# Altium PCB REFERENCE.PcbDoc (part 1 of 2) (continued)
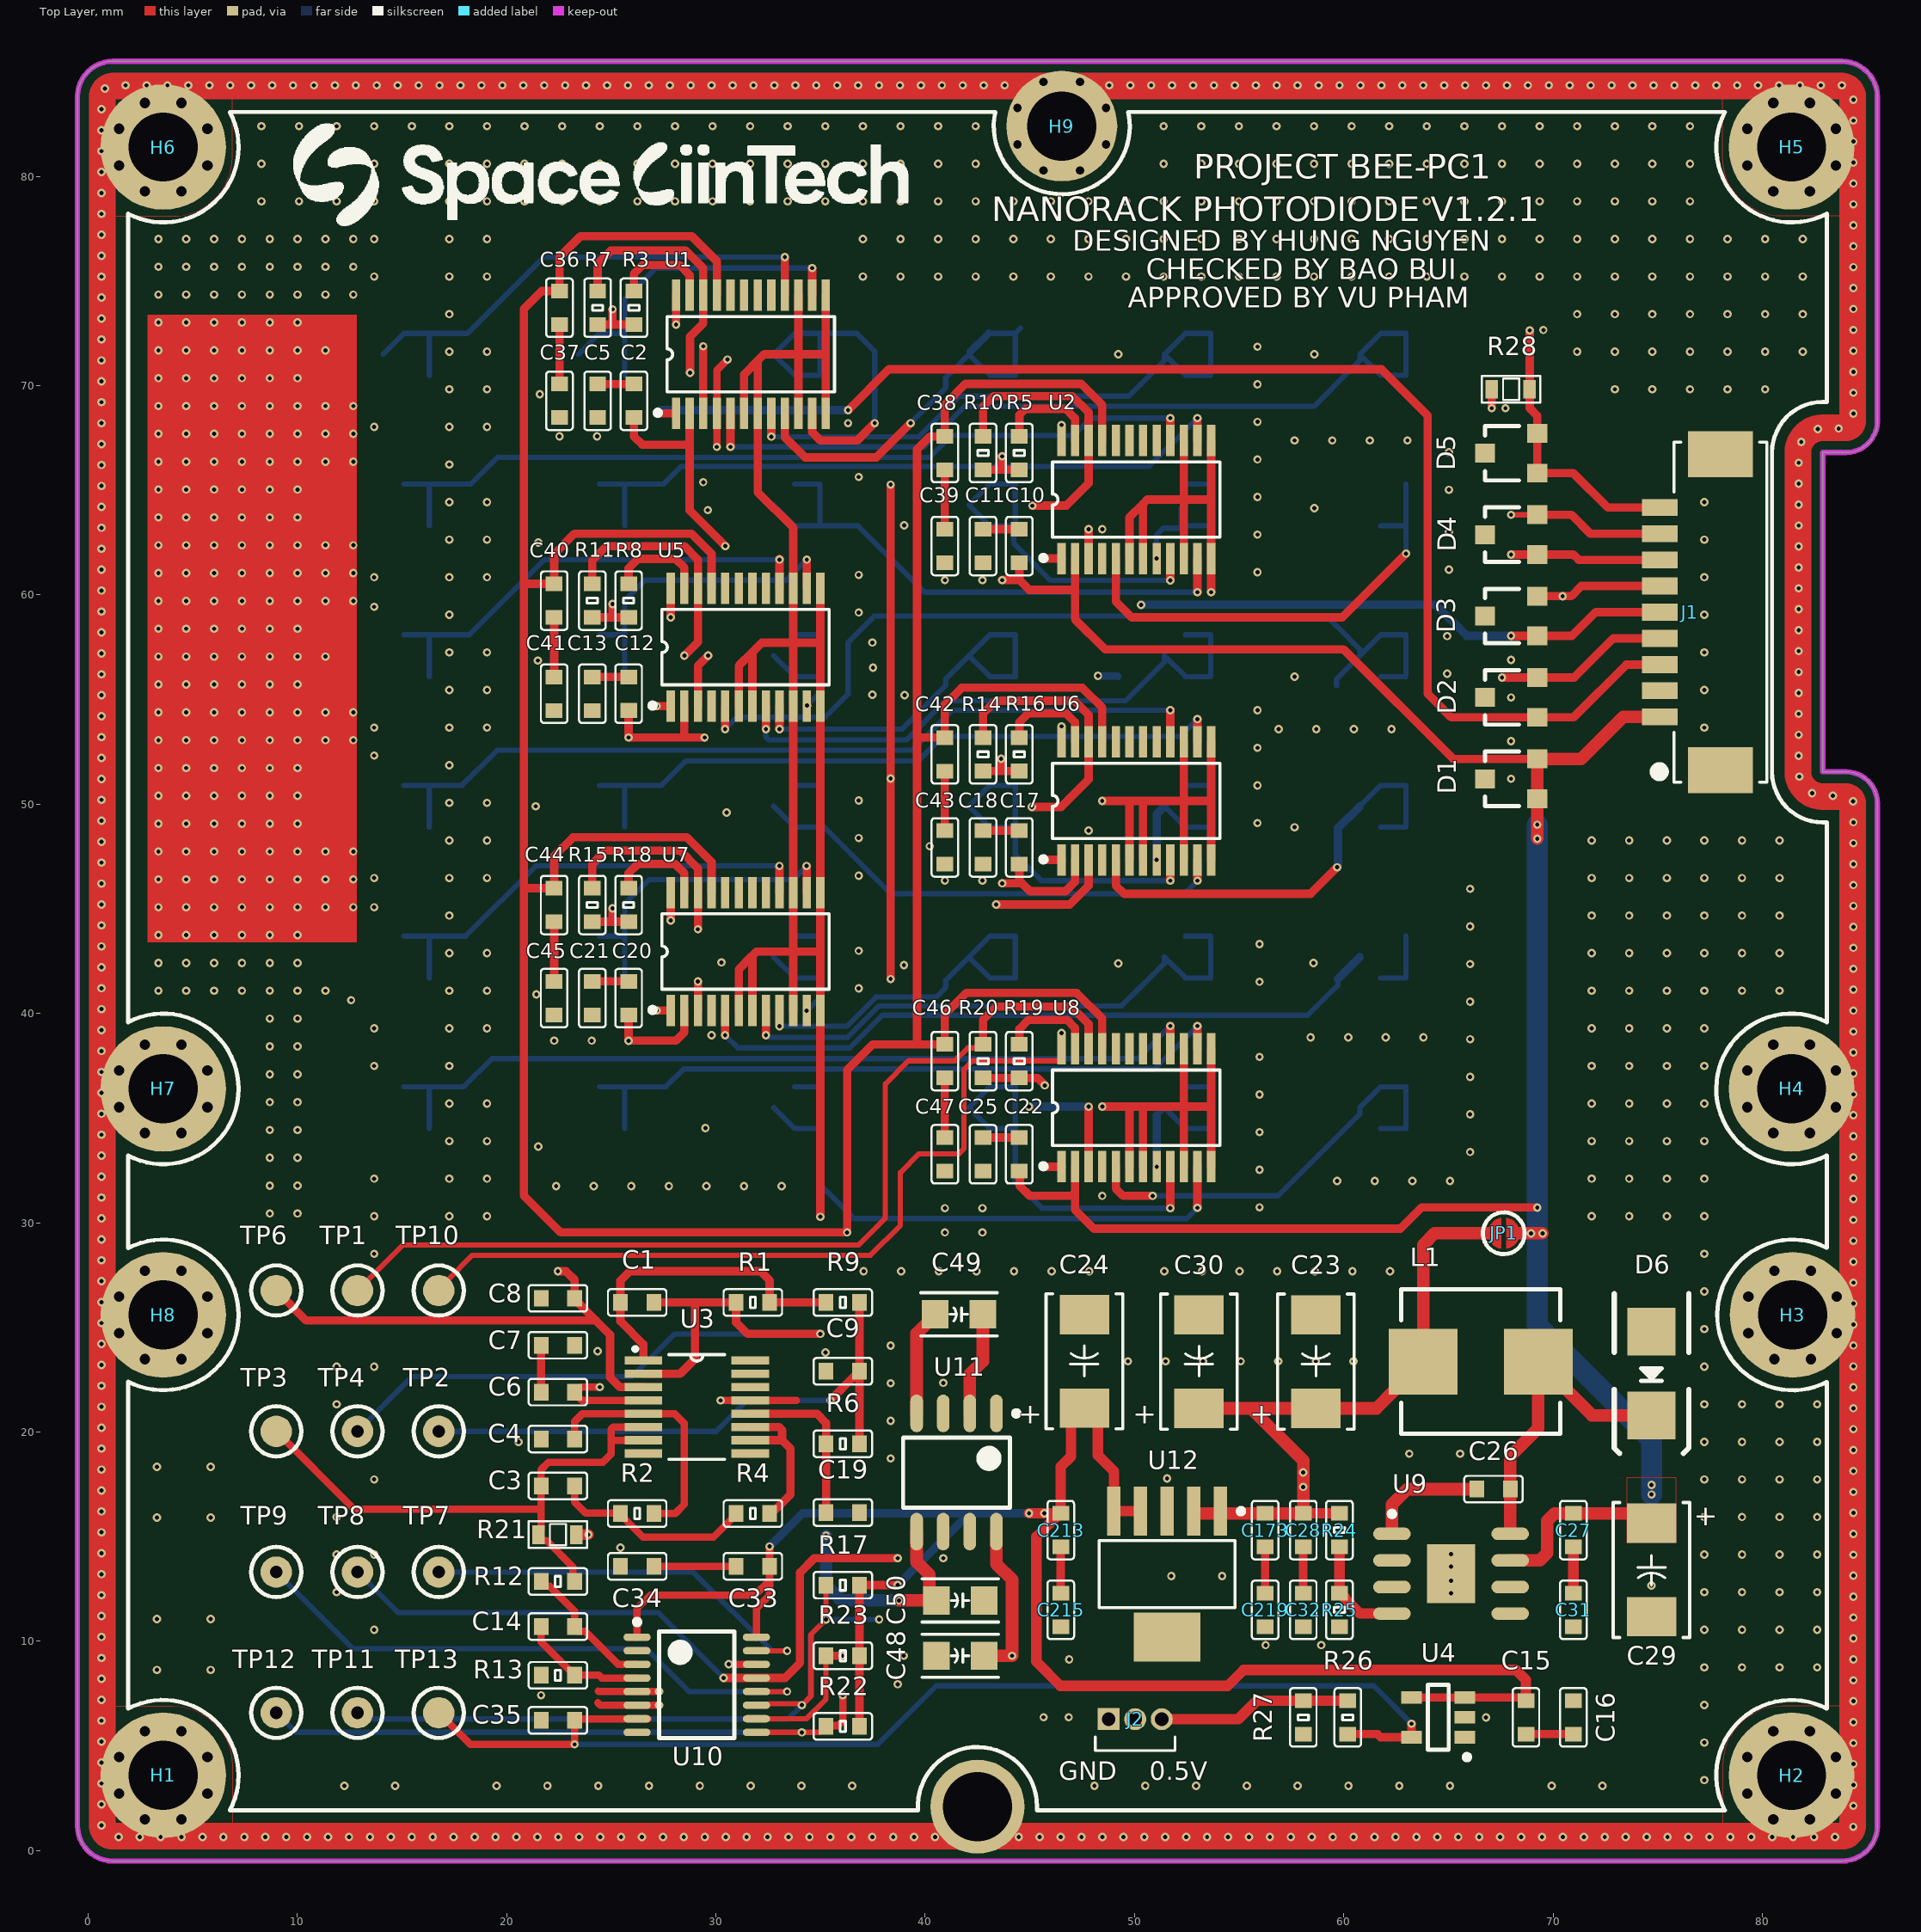
[diagram p0: Top Layer view]
## Footprints (in the part's own frame and the unit in brackets; to place one, negate y for a bottom-side part, rotate by r counter-clockwise, add the part's x,y. Pads: shape width x height; smd on the part's side, far side on the other; paste and mask are expansions set on the pad) (continued)
TSSOP16 [mm] "TSSOP, 16-Leads, Body 5.10x4.40mm, Pitch 0.65mm, IPC High Density"
  oval 1.3x0.35 smd mask+0.05: 1(-2.85,2.275) 2(-2.85,1.625) 3(-2.85,0.975) 4(-2.85,0.325) 5(-2.85,-0.325) 6(-2.85,-0.975) 7(-2.85,-1.625) 8(-2.85,-2.275) 9(2.85,-2.275) 10(2.85,-1.625) 11(2.85,-0.975) 12(2.85,-0.325) 13(2.85,0.325) 14(2.85,0.975) 15(2.85,1.625) 16(2.85,2.275)
  silkscreen extent -2.97,-2.55 1.8,3.12, body extent -3.23,-2.53 3.23,2.57, height 1.25
TSSOP24 [mm] "TSSOP, 24-Leads, Body 7.80x4.40mm, Pitch 0.65mm, IPC High Density"
  rect 1.5x0.4 smd: 1(-2.819,3.575) 2(-2.819,2.925) 3(-2.819,2.275) 4(-2.819,1.625) 5(-2.819,0.975) 6(-2.819,0.325) 7(-2.819,-0.325) 8(-2.819,-0.975) 9(-2.819,-1.625) 10(-2.819,-2.275) 11(-2.819,-2.925) 12(-2.819,-3.575) 13(2.819,-3.575) 14(2.819,-2.925) 15(2.819,-2.275) 16(2.819,-1.625) 17(2.819,-0.975) 18(2.819,-0.325) 19(2.819,0.325) 20(2.819,0.975) 21(2.819,1.625) 22(2.819,2.275) 23(2.819,2.925) 24(2.819,3.575)
  silkscreen extent -2.91,-4 1.8,4.56, body extent -3.23,-3.95 3.23,3.95, height 1.25
VEMD5080X01#1 [mil]
  rect 47x30 smd paste+0 mask+0: 1(102.83,-39.37) 2(-71.17,-39.37) 2(-71.17,39.37) 3(102.83,39.37)
  rect 98x122 smd paste+0 mask+0: 2(15.83,0)
  silkscreen extent -107,-84 119,84, body extent -83,-79 114,79, height 41
VEMD5080X01#2 [mil]
  rect 47x30 smd paste+0 mask+1.97: 1(102.83,-39.37) 2(-71.17,-39.37) 2(-71.17,39.37) 3(102.83,39.37)
  rect 98x122 smd paste+0 mask+1.97: 2(15.83,0)
  silkscreen extent -107,-84 119,84, body extent -83,-79 114,79, height 41

## Part data
C1 C2 C3 C4 C5 C6 C7 C8 C9 C10 C11 C12 C13 C14 C15 C16 C17 C18 C19 C20 C21 C22 C25 C26 C27 C28 C31 C32 C33 C34 C35 C36 C37 C38 C39 C40 C41 C42 C43 C44 C45 C46 C47 C173 C213 C215 C219: library part CM, "0603"
C23 C24 C29 C30 C48 C49 C50: library part CN-ALU-SMD, "Polarized Capacitor (Axial)", LatestRevisionDate=17-Jul-2002, LatestRevisionNote="Re-released for DXP Platform.", PackageReference=POLAR0.8, Published=8-Jun-2000, Publisher="Altium Limited"
D1: library part S2315, "TVS DIODE 12VWM 19VC SOT23, P/N:  S2312"
D2 D3 D4 D5: library part S2303, "TVS DIODE 5VWM 10.8VC SOT23, P/N:   / S2305"
D6: library part "Diode SMD", "DIODE SCHOTTKY 40V 5A SMA", Code - JEDEC=DO-214-AB, Published=8-Jun-2000, Publisher="Altium Limited", Revision="July-2002: Re-released for DXP Platform."
H1 H2 H3 H4 H5 H6 H7 H8 H9: library part PAD_HOLD
J1: library part JP9, "WR-PHD 2.54 mm Angled Socket Header", Manufacturer="W¨¹rth Elektronik eiSos GmbH", partNo=613009143121, ComponentLink1 Description=Manufacturer, ComponentLink1URL=http://www.we-online.com, ComponentLink2 Description=Datasheet, ComponentLink2URL=http://katalog.we-online.de/em/datasheet/6130xx143121.pdf, Created by="Karrer Zheng", Created Date="29 March 2013", NoPins=09
J2: library part JP3, "WR-PHD 2.54 mm Angled Socket Header", Manufacturer="W¨¹rth Elektronik eiSos GmbH", partNo=613003143121, ComponentLink1 Description=Manufacturer, ComponentLink1URL=http://www.we-online.com, ComponentLink2 Description=Datasheet, ComponentLink2URL=http://katalog.we-online.de/em/datasheet/6130xx143121.pdf, Created by="Karrer Zheng", Created Date="29 March 2013", NoPins=03
L1: library part INDUCTOR, "SRP7050TA-150M"
R1 R2 R3 R4 R5 R6 R7 R8 R9 R10 R11 R12 R13 R14 R15 R16 R17 R18 R19 R20 R21 R22 R23 R24 R26 R27 R28: library part Res-SMD, "0603", Manufacturer="Generic Components", Class=Passive, Published=08/06/2000, Publisher="Altium Hobart Technology Centre"
R25: library part Res-SMD, "ERA-3AEB3241V", Manufacturer="Generic Components", Class=Passive, Published=08/06/2000, Publisher="Altium Hobart Technology Centre"
U1 U2 U5 U6 U7 U8: "IC SW SPST-NOX8 11.5OHM 24TSSOP"
U3: "IC CMOS 4 CIRCUIT 16SSOP", Supplier Part Number 1=595-OPA4340UA/2K5, Supplier 1=Mouser
U4: library part REF19xx, "REF1941AIDDCT"
U9: library part TPS543X, "8SOP"
U10: "IC ADC 16BIT SAR 16TSSOP", Supplier Part Number 1=595-ADS8327IPW, Supplier 1=Mouser
U11: "CMOS Voltage Converters", Creator="Nguyen Ba Bien"
U12: "IC REG LINEAR 3.3V 1.5A SOT223-6"

## Free pads (board coordinates)
  round 4.5 hole 3.3: 1(42.5,2.1)

## Via types
v1: diameter 0.4, hole 0.2, Top Layer to Bottom Layer, tented both sides, 883 vias
v2: diameter 0.4, hole 0.2, Top Layer to Bottom Layer, 330 vias
v3: diameter 0.9, hole 0.6, Top Layer to Bottom Layer, tented both sides, 7 vias

## Nets (pads, with @x,y where several pads share a name; then routed paths per layer and width w, separated by ;. In a path a pad name is that pad's centre, name@x,y a point inside that pad or via, vN(x,y) a via of type N, cw(c..) or ccw(c..) an arc to the next point about the centre after c; other vN are vias at no path point)
0R_ADC_IN: D5.1 D5.3 J1.9 R21.1 R28.1 | length 120.4
  Top Layer w0.4: v1(68.887,72.644) R28.1@68.887,69.827 68.887,68.924 69.248,68.563 D5.1@69.248,65.821 70.975,65.821 72.621,64.175 J1.9@75.095,64.175
  Top Layer w0.5: R21.1@23.344,15.099 23.346,15.1 v1(23.911,15.1)
  Mid-Layer 2 w0.5: v1(23.911,15.1) 23.466,15.545 23.466,74.164 24.653,75.35 26.088,75.35 27.27,74.168 67.363,74.168 v1(68.887,72.644)
12V_EXP: C2.2 C10.2 C12.2 C17.2 C20.2 C22.2 C27.2 C29.1 D1.1 D1.3 J1.1 JP1.1 U1.2 U2.2 U5.2 U6.2 U7.2 U8.2 U9.7 | length 197.4
  Top Layer w0.4: C20.2@25.834,39.938 25.834,38.703 28.102,38.703 28.497,39.098 U7.2@28.497,40.142 ; C12.2@25.834,54.482 v1(25.834,53.188) 28.497,53.188 ; C2.2@26.088,68.476 26.088,67.578 26.484,67.182 28.751,67.182 ; U5.2@28.497,54.687 28.497,53.188 ; U1.2@28.751,68.681 28.751,64.041 v1@30.451,62.341 ; v1@29.464,53.179 29.455,53.188 28.497,53.188 ; v1(43.688,46.221) 44.633,46.221 ; v1@43.688,60.713 44.502,60.713 ; C22.2@44.502,32.476 44.522,32.456 44.522,31.76 44.989,31.293 47.016,31.293 47.165,31.442 ; C17.2@44.502,47.138 44.502,46.352 44.633,46.221 ; C10.2@44.502,61.538 44.502,60.713 ; 44.756,46.098 44.633,46.221 ; U8.2@47.165,32.681 47.165,31.442 ; U6.2@47.165,47.342 47.165,46.294 46.715,45.844 45.01,45.844 44.633,46.221 ; U2.2@47.165,61.742 47.165,60.244 ; v1@69.248,30.736 69.246,30.734 63.718,30.734 62.702,29.718 48.069,29.718 47.165,30.622 47.165,31.293 47.165,31.442 ; D1.3@69.248,52.164 65.225,52.164 59.985,57.404 48.599,57.404 47.165,58.838 47.165,60.244 ; 44.502,60.713 44.971,60.244 47.165,60.244
  Top Layer w0.6: U9.7@67.956,13.868 69.37,13.868 69.722,14.22 69.722,15.765 70.073,16.117 C27.2@70.974,16.117 74.706,16.117 C29.1@74.706,15.646 ; JP1.1@68.088,29.5 v1@69.504,29.5 ; v1@69.248,48.358 D1.1@69.248,50.264 D1.3@69.248,52.164 71.344,52.164 73.355,54.175 J1.1@75.095,54.175
  Mid-Layer 2 w0.4: v1(25.834,38.696) v1(25.834,53.188) ; v1@29.464,53.186 29.464,55.322 30.451,56.309 v1(30.451,62.334) 42.06,62.334 v1(43.688,60.706) 44.415,59.979 44.415,46.948 v1(43.688,46.221)
  Bottom Layer w1: v1(69.248,49.022) v1(69.248,48.351) 69.248,25.096 74.709,19.635 v1(74.709,17.48) v1(74.709,17.018)
  other v1: 68.956,29.493 69.504,29.493 69.248,30.729 29.464,53.188
+3.3: C6.2 C15.2 C24.1 C33.2 C213.2 R3.2 R5.2 R7.2 R8.2 R10.2 R11.2 R14.2 R15.2 R16.2 R17.2 R18.2 R19.2 R20.2 R22.2 R23.2 U3.4 U4.3 U4.4 U10.1 U10.16 U12.4 U12.5 | length 245.2
  Top Layer w0.35: v1(24.458,22.148) 23.564,22.148 23.415,21.999 23.415,21.7 23.603,21.513 U3.4@26.54,21.513 ; U10.1@26.243,10.201 26.243,11.574 26.875,12.206 31.861,12.206 32.571,12.916 ; U10.16@31.943,10.201 31.943,11.578 32.571,12.206 32.571,12.916 ; v1(32.571,14.532) C33.2@32.571,13.588 32.571,12.916
  Top Layer w0.4: R15.2@24.1,44.386 24.967,44.386 ; R11.2@24.1,58.93 24.967,58.93 ; R7.2@24.354,72.924 25.099,72.924 ; v1(25.067,45.024) 25.067,44.486 24.967,44.386 ; v1(25.067,59.568) 25.067,59.03 24.967,58.93 ; v1(25.067,73.651) 25.067,72.956 25.099,72.924 ; R18.2@25.834,44.386 24.967,44.386 ; R8.2@25.834,58.93 24.967,58.93 ; R3.2@26.088,72.924 25.099,72.924 ; R22.2@36.868,5.936 R23.2@36.868,9.312 R17.2@36.868,12.688 v1(38.688,12.688) ; v1@38.354,41.656 v1(38.354,51.231) v1(38.354,65.271) ; R20.2@42.768,36.924 R19.2@44.502,36.924 45.37,36.924 v1@45.72,36.574 ; R14.2@42.768,51.586 43.635,51.586 ; R10.2@42.768,65.986 43.635,65.986 ; v1@43.635,52.178 v1(43.635,52.171) 43.635,51.586 ; v1@43.688,66.631 v1(43.688,66.624) 43.688,66.039 43.635,65.986 ; R16.2@44.502,51.586 43.635,51.586 ; R5.2@44.502,65.986 43.635,65.986 ; U4.4@63.241,7.317 U4.3@65.791,7.317 C15.2@68.558,7.317
  Top Layer w0.5: v1(44.971,16.117) v1(45.701,16.117) C213.2@46.432,16.117 ; U12.4@50.292,16.218 U12.5@49.022,16.218 49.022,18.126 48.252,18.895 48.252,20.504 C24.1@47.612,21.145 46.967,20.5 46.967,18.836 46.482,18.351 C213.2@46.482,16.117 C213.2@46.432,16.117 ; C15.2@68.558,7.317 C15.2@68.708,7.167 68.708,8.162 68.234,8.636 55.216,8.636 54.454,7.874 46.47,7.874 45.314,9.03 45.314,14.999 C213.2@46.432,16.117
  Mid-Layer 2 w0.4: v1(24.458,22.148) 32.046,22.148 ; v1(25.067,73.651) v1(25.067,59.568) v1(25.067,45.024) 25.067,37.301 28.892,33.476 32.046,33.476 ; v1(32.571,14.532) 32.046,15.057 32.046,22.148 ; v1(38.354,41.649) 41.49,41.649 45.72,37.419 45.72,34.238 44.958,33.476 32.046,33.476 ; v1@38.354,51.238 39.286,52.171 v1(43.635,52.171) ; v1@38.354,65.278 39.7,66.624 v1(43.688,66.624) ; 32.046,22.148 32.046,33.476
  Bottom Layer w0.4: v1(32.571,14.532) 34.156,16.117 42.117,16.117 ; v1(38.688,12.688) 42.117,16.117 ; v1(45.701,16.117) v1(44.971,16.117) 42.117,16.117
  other v1: 45.72,36.567
+5: C23.1 C28.2 C30.1 C48.1 C173.2 JP1.2 L1.2 R24.2 U11.8 U12.1 U12.2 | length 64.4
  Top Layer w0.4: U12.2@52.832,16.218 U12.2@52.933,16.117
  Top Layer w0.5: C28.2@58.067,16.117 R24.2@59.797,16.117
  Top Layer w0.6: C48.1@42.822,9.312 v1(44.158,9.312) 44.158,12.944 43.407,13.695 U11.8@43.407,15.242 ; U12.2@52.933,16.117 C28.2@58.067,16.117 v1(58.067,17.379) v1(58.067,18.076) 58.067,18.641 55.575,21.133 ; C30.1@53.086,21.133 55.575,21.133 ; JP1.2@67.208,29.5 64.342,29.5 63.798,28.956 L1.2@63.798,23.368 63.723,23.368 62.448,22.093 62.448,22.018 61.563,21.133 C23.1@58.674,21.133 55.575,21.133
  Mid-Layer 2 w0.6: v1(44.158,9.312) 45.137,8.333 56.085,8.333 58.067,10.315 v1(58.067,17.379) v1(58.067,18.076)
-5: C36.2 C38.2 C40.2 C42.2 C44.2 C46.2 C50.2 U1.21 U2.21 U5.21 U6.21 U7.21 U8.21 U11.5 | length 203.1
  Top Layer w0.4: U7.21@29.797,45.781 29.797,47.245 28.621,48.421 23.175,48.421 22.278,47.524 C44.2@22.278,45.986 20.828,45.986 ; U5.21@29.797,60.325 29.797,61.974 28.842,62.929 23.252,62.929 22.278,61.955 C40.2@22.278,60.53 20.828,60.53 ; U1.21@30.051,74.319 30.051,75.95 28.86,77.141 23.53,77.141 22.532,76.144 C36.2@22.532,74.524 21.686,74.524 20.828,73.666 20.828,60.53 ; 39.617,38.524 39.617,53.186 ; U8.21@48.465,38.319 48.465,39.762 47.242,40.985 41.964,40.985 40.946,39.966 C46.2@40.946,38.524 37.498,38.524 36.276,37.302 v1(36.276,29.541) 22.596,29.541 20.828,31.308 20.828,45.986 ; U6.21@48.465,52.981 48.465,54.619 47.515,55.57 41.758,55.57 40.946,54.758 C42.2@40.946,53.186 39.617,53.186 ; U2.21@48.465,67.381 48.465,69.087 47.469,70.084 41.926,70.084 40.946,69.103 C38.2@40.946,67.586 40.924,67.564 40.221,67.564 39.617,66.96 39.617,53.186 ; 20.828,45.986 20.828,60.53
  Top Layer w0.6: v1(38.75,11.955) C50.2@40.535,11.955 40.2,12.29 40.2,13.19 39.597,13.793 U11.5@39.597,15.242
  Mid-Layer 2 w0.4: v1@35.268,15.057 35.268,19.68 36.276,20.688 v1(36.276,29.541)
  Bottom Layer w0.6: v1(35.268,15.05) 35.268,12.688 36.001,11.955 v1(38.75,11.955)
ADC_CONVST: D4.3 J1.8 R22.1 TP12.1 U10.9 | length 108.2
  Top Layer w0.254: U10.9@31.943,5.651 v1(34.115,5.651) 34.969,5.651 R22.1@35.254,5.936 ; R22.1@35.268,5.936 R22.1@35.304,5.972 ; v1(67.998,63.832) D4.3@69.248,63.832
  Top Layer w0.35: R22.1@35.304,5.972 35.85,5.972 36.068,6.19 v1(36.068,7.42)
  Top Layer w0.4: D4.3@69.248,63.832 70.875,63.832 71.782,62.925 J1.8@75.095,62.925
  Mid-Layer 2 w0.254: v1(36.068,7.42) 36.868,8.22 36.868,13.577 49.464,26.174 49.464,39.214 66.294,56.043 66.294,62.128 v1(67.998,63.832)
  Bottom Layer w0.254: v3(9,6.587) 9.936,5.651 v1(34.115,5.651)
ADC_CS: D4.1 J1.7 R17.1 TP11.1 U10.11 | length 107.8
  Top Layer w0.254: U10.11@31.943,6.951 32.444,6.951 32.507,7.014 34.013,7.014 34.076,6.951 v1(34.115,6.951) 34.554,7.39 34.554,10.335 v1(35.268,11.049) R17.1@35.268,12.688
  Top Layer w0.4: v1(67.998,61.932) D4.1@69.248,61.932 70.975,61.932 71.232,61.675 J1.7@75.095,61.675
  Mid-Layer 2 w0.254: v1(37.804,11.049) 37.804,13.903 49.914,26.013 49.914,39.044 66.852,55.982 66.852,60.785 v1(67.998,61.932)
  Bottom Layer w0.254: v3(12.882,6.587) 13.057,6.587 13.354,6.29 33.454,6.29 v1(34.115,6.951) 34.513,7.349 34.513,10.294 v1(35.268,11.049) v1(37.804,11.049)
ADC_EOC: R23.1 R28.2 U10.10 | length 79.9
  Top Layer w0.254: U10.10@31.943,6.301 34.331,6.301 35.268,7.238 R23.1@35.268,9.312
  Top Layer w0.4: R23.1@35.268,9.312 v1(36.068,9.312) ; v1(67.072,68.924) R28.2@67.072,69.827
  Mid-Layer 2 w0.254: v1(36.068,9.312) 36.068,13.349 49.022,26.303 49.022,39.37 65.725,56.073 65.725,67.578 v1(67.072,68.924)
ADC_IN: C3.1 R12.2 R21.2 TP3.1 U3.6 U3.7 | length 28.1
  Top Layer w0.35: TP3.1@9,20.037 12.728,16.309 21.655,16.309 ; R21.2@21.528,15.098 21.528,14.948 21.653,14.823 21.908,14.823 23.168,13.563 23.168,12.945 R12.2@23.255,12.858 ; R21.2@21.655,15.348 21.655,16.105 21.655,16.309 ; U3.7@26.54,19.608 25.002,19.608 ; U3.6@26.54,20.243 25.154,20.243 ccw(c25.154,20.091) 25.002,20.091 25.002,19.608 ; 21.655,16.309 21.655,16.359 C3.1@21.655,17.429 21.655,18.207 22.01,18.562 24.613,18.562 25.002,18.951 25.002,19.608
GND: C4.1 C5.1 C7.1 C8.1 C9.1 C11.1 C13.1 C16.1 C18.1 C19.1 C21.1 C23.2 C24.2 C25.1 C29.2 C30.2 C31.1 C32.1 C34.1 C35.1 C37.1 C39.1 C41.1 C43.1 C45.1 C47.1 C48.2 C50.1 C215.1 C219.1 D1.2 D2.2 D3.2 D4.2 D5.2 D6.1 J1.2 J2.1 PD1.1 PD2.1 PD3.1 PD4.1 PD5.1 PD6.1 PD7.1 PD8.1 PD9.1 PD10.1 PD11.1 PD12.1 PD13.1 PD14.1 PD15.1 PD16.1 PD17.1 PD18.1 PD19.1 PD20.1 PD21.1 PD22.1 PD23.1 PD24.1 PD25.1 PD26.1 PD27.1 PD28.1 PD29.1 PD30.1 PD31.1 PD32.1 PD33.1 PD34.1 PD35.1 PD36.1 R13.2 R25.1 R27.1 U1.4 U2.4 U3.13 U4.2 U5.4 U6.4 U7.4 U8.4 U9.6 U9.9 U10.5 U10.6 U10.14 U11.3 U11.6 U12.3 U12.6 | length 16.2
  Top Layer w0.35: 24.359,7.075 24.483,6.951 U10.6@26.243,6.951 v1(27.293,6.951) ; 24.384,7.619 24.402,7.601 U10.5@26.243,7.601 v1(27.293,7.601) ; v1(30.051,67.075) U1.4@30.051,68.681 30.051,70.734 30.561,71.244 v1(30.561,71.249) ; v1(30.226,21.513) U3.13@31.645,21.513 33.851,21.513 ; v1@30.632,8.901 30.633,8.902 30.644,8.902 30.645,8.901 U10.14@31.943,8.901
  Bottom Layer w0.35: v1(48.26,56.134) 48.27,56.124 49.202,56.124 PD14.1@49.226,56.1
  other v1: 12.25,3.095 14.677,3.095 19.531,3.095 21.957,3.095 24.384,3.095 26.811,3.095 29.238,3.095 31.664,3.095 34.091,3.095 36.518,3.095 48.093,3.095 50.52,3.095 52.947,3.095 55.373,3.095 57.8,3.095 60.227,3.095 62.654,3.095 65.08,3.095 69.934,3.095 72.361,3.095 77.235,3.369 77.235,5.165 66.802,6.367 45.664,6.372 46.863,6.372 77.235,6.961 21.655,7.426 38.688,7.951 3.302,8.636 5.865,8.636 77.235,8.757 79.031,8.757 80.827,8.757 82.623,8.757 30.621,8.912 46.882,9.136 38.985,9.312 56.27,9.82 58.928,9.82 13.679,10.553 77.235,10.553 79.031,10.553 80.827,10.553 82.623,10.553 3.302,11.063 5.865,11.063 65.131,12.298 11.883,12.349 77.235,12.349 79.031,12.349 80.827,12.349 82.623,12.349 74.706,12.671 65.131,12.898 51.765,13.12 54.192,13.12 65.131,13.568 40.867,13.974 11.883,14.146 13.679,14.146 65.131,14.167 77.235,14.146 79.031,14.146 80.827,14.146 82.623,14.146 25.444,14.478 3.302,15.916 5.865,15.916 11.883,15.942 77.235,15.942 79.031,15.942 80.827,15.942 82.623,15.942 13.679,17.738 77.235,17.738 79.031,17.738 80.827,17.738 82.623,17.738 51.562,17.78 3.302,18.343 5.865,18.343 38.354,18.741 63.133,18.965 65.56,18.965 20.574,19.529 77.235,19.534 79.031,19.534 80.827,19.534 82.623,19.534 38.354,20.538 11.883,21.33 77.235,21.33 79.031,21.33 80.827,21.33 82.623,21.33 38.354,22.334 40.867,22.352 11.883,23.126 13.679,23.126 77.235,23.126 49.691,23.38 51.487,23.38 53.284,23.38 55.08,23.38 56.876,23.38 58.672,23.38 60.468,23.38 35.24,23.802 24.357,23.864 38.354,24.13 77.235,24.923 77.235,26.719 37.064,27.686 38.86,27.686 40.656,27.686 42.453,27.686 44.249,27.686 46.045,27.686 47.841,27.686 51.433,27.686 53.23,27.686 55.026,27.686 56.822,27.686 58.618,27.686 60.414,27.686 62.21,27.686 13.679,28.515 77.235,28.515 40.946,29.541 42.742,29.541 13.679,30.311 17.272,30.311 19.068,30.311 71.846,30.311 73.642,30.311 75.438,30.311 77.235,30.311 8.69,30.444 10.02,30.444 40.946,30.698 42.742,30.698 55.98,30.741 48.465,31.287 22.37,31.75 24.166,31.75 25.963,31.75 27.759,31.75 29.555,31.75 31.351,31.75 33.147,31.75 8.69,31.775 10.02,31.775 59.69,32.004 61.486,32.004 63.282,32.004 65.079,32.004 13.679,32.107 17.272,32.107 19.068,32.107 71.846,32.107 73.642,32.107 75.438,32.107 77.235,32.107 55.98,32.537 8.69,33.105 10.02,33.105 66.04,33.383 21.518,33.645 17.272,33.903 19.068,33.903 71.846,33.903 73.642,33.903 75.438,33.903 77.235,33.903 55.98,34.333 8.69,34.436 10.02,34.436 29.504,34.524 66.04,35.179 17.272,35.7 19.068,35.7 71.846,35.7 73.642,35.7 75.438,35.7 77.235,35.7 8.69,35.766 10.02,35.766 55.98,36.129 66.04,36.975 8.69,37.097 10.02,37.097 13.679,37.496 17.272,37.496 71.846,37.496 73.642,37.496 75.438,37.496 77.235,37.496 55.98,37.926 8.69,38.427 10.02,38.427 22.278,38.703 24.074,38.703 66.04,38.771 58.42,38.862 60.216,38.862 62.012,38.862 63.809,38.862 29.797,38.96 13.679,39.292 17.272,39.292 19.068,39.292 71.846,39.292 73.642,39.292 75.438,39.292 77.235,39.292 8.69,39.758 10.02,39.758 66.04,40.567 12.578,40.64 21.428,40.914 3.368,41.088 4.698,41.088 6.029,41.088 7.359,41.088 8.69,41.088 10.02,41.088 11.351,41.088 17.272,41.088 19.068,41.088 71.846,41.088 73.642,41.088 75.438,41.088 77.235,41.088 79.031,41.088 80.827,41.088 36.83,41.2 55.98,41.518 38.989,42.311 66.04,42.363 49.226,42.395 3.368,42.419 4.698,42.419 6.029,42.419 7.359,42.419 8.69,42.419 10.02,42.419 58.56,42.418 30.274,42.44 17.272,42.884 19.068,42.884 71.846,42.884 73.642,42.884 75.438,42.884 77.235,42.884 79.031,42.884 80.827,42.884 36.83,42.997 55.98,43.314 3.368,43.749 4.698,43.749 6.029,43.749 7.359,43.749 8.69,43.749 10.02,43.749 66.04,44.16 17.272,44.68 71.846,44.68 73.642,44.68 75.438,44.68 77.235,44.68 79.031,44.68 80.827,44.68 3.368,45.08 4.698,45.08 6.029,45.08 7.359,45.08 8.69,45.08 10.02,45.08 11.351,45.08 12.681,45.08 13.679,45.08 66.04,45.956 40.946,46.352 42.742,46.352 3.368,46.41 4.698,46.41 6.029,46.41 7.359,46.41 8.69,46.41 10.02,46.41 11.351,46.41 12.681,46.41 13.679,46.477 17.272,46.477 19.068,46.477 71.846,46.477 73.642,46.477 75.438,46.477 77.235,46.477 79.031,46.477 80.827,46.477 36.83,46.589 3.368,47.741 4.698,47.741 6.029,47.741 7.359,47.741 8.69,47.741 10.02,47.741 11.351,47.741 12.681,47.741 40.218,47.997 17.272,48.273 19.068,48.273 71.846,48.273 73.642,48.273 75.438,48.273 77.235,48.273 79.031,48.273 80.827,48.273 36.83,48.385 47.815,48.738 57.658,48.9 3.368,49.071 4.698,49.071 6.029,49.071 7.359,49.071 8.69,49.071 10.02,49.071 55.88,49.103 30.52,49.602 21.398,49.9 17.272,50.069 19.068,50.069 36.83,50.181 3.368,50.402 4.698,50.402 6.029,50.402 7.359,50.402 8.69,50.402 10.02,50.402 55.88,50.899 67.998,51.214 3.368,51.732 4.698,51.732 6.029,51.732 7.359,51.732 8.69,51.732 10.02,51.732 17.272,51.865 13.679,52.324 55.88,52.695 67.998,53.011 3.368,53.063 4.698,53.063 6.029,53.063 7.359,53.063 8.69,53.063 10.02,53.063 11.351,53.063 12.681,53.063 56.896,53.594 58.692,53.594 60.488,53.594 62.285,53.594 13.679,53.661 17.272,53.661 19.068,53.661 77.235,53.661 3.368,54.393 4.698,54.393 6.029,54.393 7.359,54.393 8.69,54.393 10.02,54.393 11.351,54.393 12.681,54.393 55.88,54.491 67.998,55.104 37.478,55.23 39.018,55.216 17.272,55.457 19.068,55.457 77.235,55.457 3.368,55.724 4.698,55.724 6.029,55.724 7.359,55.724 8.69,55.724 10.02,55.724 57.658,56.1 64.948,56.237 37.511,56.527 21.5,56.866 67.998,56.9 3.368,57.054 4.698,57.054 6.029,57.054 7.359,57.054 8.69,57.054 10.02,57.054 11.351,57.054 17.272,57.254 19.068,57.254 77.235,57.254 37.478,57.725 64.948,58.034 3.368,58.385 4.698,58.385 6.029,58.385 7.359,58.385 8.69,58.385 10.02,58.385 17.272,59.05 77.235,59.05 36.83,59.162 13.679,59.436 3.368,59.715 4.698,59.715 6.029,59.715 7.359,59.715 8.69,59.715 10.02,59.715 11.351,59.715 12.681,59.715 40.946,60.706 42.742,60.706 13.679,60.846 17.272,60.846 19.068,60.846 77.235,60.846 36.83,60.958 3.368,61.046 4.698,61.046 6.029,61.046 7.359,61.046 8.69,61.046 10.02,61.046 11.351,61.046 12.681,61.046 55.88,61.087 65.024,61.214 3.368,62.376 4.698,62.376 6.029,62.376 7.359,62.376 8.69,62.376 10.02,62.376 11.351,62.376 12.681,62.376 21.521,62.505 17.272,62.642 19.068,62.642 77.235,62.642 55.88,62.883 65.024,63.01 48.465,63.138 38.999,63.322 3.368,63.706 4.698,63.706 6.029,63.706 7.359,63.706 8.69,63.706 10.02,63.706 29.618,64.058 58.596,64.151 17.272,64.438 19.068,64.438 77.235,64.438 55.88,64.679 3.368,65.037 4.698,65.037 6.029,65.037 7.359,65.037 8.69,65.037 10.02,65.037 65.024,65.024 29.401,65.386 36.83,65.636 17.272,66.234 3.368,66.367 4.698,66.367 6.029,66.367 7.359,66.367 8.69,66.367 10.02,66.367 11.351,66.367 12.681,66.367 55.88,66.475 65.024,66.82 57.658,67.381 59.454,67.381 61.25,67.381 63.047,67.381 22.532,67.578 24.328,67.578 3.368,67.698 4.698,67.698 6.029,67.698 7.359,67.698 8.69,67.698 10.02,67.698 11.351,67.698 12.681,67.698 13.679,68.031 17.272,68.031 19.068,68.031 36.322,68.209 55.88,68.271 67.731,68.924 3.368,69.028 4.698,69.028 6.029,69.028 7.359,69.028 8.69,69.028 10.02,69.028 11.351,69.028 12.681,69.028 21.59,69.596 17.272,69.827 19.068,69.827 72.953,69.827 74.749,69.827 76.545,69.827 78.341,69.827 80.138,69.827 55.88,70.068 3.368,70.359 4.698,70.359 6.029,70.359 7.359,70.359 8.69,70.359 10.02,70.359 49.226,71.5 58.597,71.5 17.272,71.623 19.068,71.623 71.157,71.623 72.953,71.623 74.749,71.623 76.545,71.623 78.341,71.623 80.138,71.623 81.934,71.623 3.368,71.689 4.698,71.689 6.029,71.689 7.359,71.689 8.69,71.689 10.02,71.689 11.351,71.689 55.88,71.864 69.54,72.658 3.368,73.02 4.698,73.02 6.029,73.02 7.359,73.02 8.69,73.02 10.02,73.02 17.272,73.419 71.157,73.419 72.953,73.419 74.749,73.419 76.545,73.419 78.341,73.419 80.138,73.419 81.934,73.419 3.368,74.35 4.698,74.35 6.029,74.35 7.359,74.35 8.69,74.35 10.02,74.35 11.351,74.35 12.681,74.35 13.679,75.215 17.272,75.215 19.068,75.215 37.029,75.215 38.826,75.215 40.622,75.215 42.418,75.215 44.214,75.215 46.01,75.215 47.806,75.215 49.603,75.215 51.399,75.215 53.195,75.215 54.991,75.215 56.787,75.215 58.584,75.215 60.38,75.215 62.176,75.215 63.972,75.215 65.768,75.215 67.564,75.215 69.361,75.215 71.157,75.215 72.953,75.215 74.749,75.215 76.545,75.215 78.341,75.215 80.138,75.215 81.934,75.215 3.368,75.681 4.698,75.681 6.029,75.681 7.359,75.681 8.69,75.681 10.02,75.681 11.351,75.681 12.681,75.681 3.368,77.011 4.698,77.011 6.029,77.011 7.359,77.011 8.69,77.011 10.02,77.011 11.351,77.011 12.681,77.011 13.679,77.011 17.272,77.011 19.068,77.011 37.029,77.011 38.826,77.011 40.622,77.011 42.418,77.011 44.214,77.011 46.01,77.011 47.806,77.011 49.603,77.011 51.399,77.011 53.195,77.011 54.991,77.011 56.787,77.011 58.584,77.011 60.38,77.011 62.176,77.011 63.972,77.011 65.768,77.011 67.564,77.011 69.361,77.011 71.157,77.011 72.953,77.011 74.749,77.011 76.545,77.011 78.341,77.011 80.138,77.011 81.934,77.011 8.291,78.808 10.087,78.808 11.883,78.808 13.679,78.808 17.272,78.808 19.068,78.808 20.864,78.808 22.66,78.808 24.456,78.808 26.252,78.808 28.049,78.808 29.845,78.808 31.641,78.808 33.437,78.808 35.233,78.808 37.029,78.808 38.826,78.808 40.622,78.808 42.418,78.808 44.214,78.808 46.01,78.808 47.806,78.808 49.603,78.808 51.399,78.808 53.195,78.808 54.991,78.808 56.787,78.808 58.584,78.808 60.38,78.808 62.176,78.808 63.972,78.808 65.768,78.808 67.564,78.808 69.361,78.808 71.157,78.808 72.953,78.808 74.749,78.808 76.545,78.808 8.291,80.604 10.087,80.604 11.883,80.604 13.679,80.604 17.272,80.604 19.068,80.604 20.864,80.604 22.66,80.604 24.456,80.604 26.252,80.604 28.049,80.604 29.845,80.604 31.641,80.604 33.437,80.604 35.233,80.604 37.029,80.604 38.826,80.604 40.622,80.604 42.418,80.604 51.399,80.604 53.195,80.604 54.991,80.604 56.787,80.604 58.584,80.604 60.38,80.604 62.176,80.604 63.972,80.604 65.768,80.604 67.564,80.604 69.361,80.604 71.157,80.604 72.953,80.604 74.749,80.604 76.545,80.604 8.291,82.4 10.087,82.4 11.883,82.4 13.679,82.4 15.475,82.4 17.272,82.4 19.068,82.4 20.864,82.4 22.66,82.4 24.456,82.4 26.252,82.4 28.049,82.4 29.845,82.4 31.641,82.4 33.437,82.4 35.233,82.4 37.029,82.4 38.826,82.4 40.622,82.4 42.418,82.4 51.399,82.4 53.195,82.4 54.991,82.4 56.787,82.4 58.584,82.4 60.38,82.4 62.176,82.4 63.972,82.4 65.768,82.4 67.564,82.4 69.361,82.4 71.157,82.4 72.953,82.4 74.749,82.4 76.545,82.4
MISO_PD: D2.3 J1.4 TP8.1 U10.13 | length 95.2
  Top Layer w0.4: v1(30.374,8.251) U10.13@31.943,8.251 33.307,8.251 34.024,8.968 34.024,13.288 34.71,13.974 v1(38.688,13.974) ; v1(67.564,56.054) 71.012,56.054 72.884,57.925 J1.4@75.095,57.925
  Mid-Layer 2 w0.254: v1(38.688,13.974) 50.322,25.608 50.322,38.812 v1(67.564,56.054)
  Bottom Layer w0.254: v3(12.882,13.312) 14.814,11.38 27.245,11.38 v1(30.374,8.251)
MOSI_PD: D3.1 J1.5 TP9.1 U1.3 U10.12 | length 154
  Top Layer w0.254: U10.12@31.943,7.601 v1(33.407,7.601)
  Top Layer w0.4: U1.3@29.401,68.681 v1(29.401,71.882) ; v1(67.998,58.043) D3.1@69.248,58.043 70.908,58.043 72.04,59.175 J1.5@75.095,59.175
  Mid-Layer 2 w0.4: v1(29.401,71.882) 46.952,71.882 50.318,68.516 50.318,59.492 47.208,56.382 47.208,33.047 46.283,32.121 35.29,32.121 34.036,30.867 34.036,8.23 v1(33.407,7.601)
  Bottom Layer w0.254: v3(9,13.312) 12.66,9.652 26.67,9.652 28.721,7.601 v1(33.407,7.601)
  Bottom Layer w0.4: v1@50.318,59.533 64.395,59.533 65.885,58.043 v1(67.998,58.043)
  other v1: 50.318,59.526
NetC1_2: C1.2 R1.2 R9.1 U3.1 | length 15.5
  Top Layer w0.4: U3.1@26.54,23.418 26.54,24.2 25.444,25.296 C1.2@25.444,26.192 25.444,27.232 25.898,27.686 32.131,27.686 32.571,27.246 R1.2@32.571,26.192 R9.1@35.268,26.192
NetC2_1: C2.1 C5.2 | length 1.7
  Top Layer w0.4: C5.2@24.354,70.076 C2.1@26.088,70.076
NetC3_2: C3.2 R2.1 R4.2 | length 9.6
  Top Layer w0.35: C3.2@23.255,17.403 23.255,16.66 23.783,16.132 R2.1@25.421,16.132 ; R2.1@25.444,16.059 26.517,14.986 29.898,14.986 30.971,16.059 R4.2@30.971,16.109
NetC4_2: C4.2 R2.2 U3.5 | length 11.9
  Top Layer w0.35: C4.2@23.255,19.67 23.255,20.505 23.628,20.878 U3.5@26.54,20.878 28.034,20.878 28.488,20.423 28.488,16.535 28.065,16.112 R2.2@27.044,16.112
NetC6_1: C6.1 C7.2 | length 2
  Top Layer w0.4: C6.1@21.655,21.91 C7.2@21.655,23.871
NetC9_2: C9.2 R6.1 R9.2 TP2.1 | length 28.1
  Top Layer w0.4: v1(35.475,21.513) 36.668,22.706 36.718,22.706 C9.2@36.868,22.856 ; R6.1@36.868,19.44 C9.2@36.868,22.856 ; C9.2@36.868,22.906 C9.2@36.868,22.856 ; R9.2@36.868,26.192 C9.2@36.868,22.856
  Bottom Layer w0.254: v3(16.764,20.037) 30.02,20.037 31.495,21.513 v1(35.475,21.513)
NetC10_1: C10.1 C11.2 | length 1.7
  Top Layer w0.4: C11.2@42.768,63.138 C10.1@44.502,63.138
NetC12_1: C12.1 C13.2 | length 1.7
  Top Layer w0.4: C13.2@24.1,56.082 C12.1@25.834,56.082
NetC14_1: C14.1 R13.1 U10.4 | length 6.1
  Top Layer w0.35: C14.1@21.655,10.707 21.655,9.977 23.03,8.602 23.08,8.602 23.14,8.542 23.255,8.427 R13.1@23.255,8.377 24.433,8.377 24.559,8.251 U10.4@26.243,8.251
NetC14_2: C14.2 R12.1 U10.3 | length 6.8
  Top Layer w0.35: R12.1@21.655,12.858 21.655,12.808 21.83,12.633 22.063,12.633 23.255,11.441 C14.2@23.255,10.657 ; C14.2@23.255,10.707 C14.2@23.255,10.657 ; U10.3@26.243,8.901 25.337,8.901 23.756,10.482 23.43,10.482 C14.2@23.255,10.657
NetC15_1: C15.1 C16.2 | length 2.3
  Top Layer w0.4: C15.1@68.708,5.567 C16.2@70.974,5.567
NetC17_1: C17.1 C18.2 | length 1.7
  Top Layer w0.4: C18.2@42.768,48.738 C17.1@44.502,48.738
NetC19_2: C19.2 R6.2 U3.12 | length 8.1
  Top Layer w0.4: U3.12@31.645,20.878 34.833,20.878 35.268,20.443 C19.2@35.268,16.154
NetC20_1: C20.1 C21.2 | length 1.7
  Top Layer w0.4: C21.2@24.1,41.538 C20.1@25.834,41.538
NetC22_1: C22.1 C25.2 | length 1.7
  Top Layer w0.4: C25.2@42.768,34.076 C22.1@44.502,34.076
NetC26_1: C26.1 D6.2 L1.1 U9.8 | length 15.3
  Top Layer w0.6: U9.8@67.956,15.138 C26.1@67.956,17.272 67.956,18.844 69.298,20.186 L1.1@69.298,23.368 69.373,23.368 70.648,22.093 70.648,22.018 71.87,20.796 D6.2@74.706,20.796
NetC26_2: C26.2 U9.1 | length 5.8
  Top Layer w0.6: U9.1@62.306,15.138 62.306,16.533 63.045,17.272 C26.2@66.356,17.272
NetC27_1: C27.1 C31.2 | length 2.2
  Top Layer w0.5: C31.2@70.974,12.305 C27.1@70.974,14.517
NetC28_1: C28.1 C32.2 | length 2.2
  Top Layer w0.4: C32.2@58.067,12.305 C28.1@58.067,14.517
NetC33_1: C33.1 C34.2 | length 3.9
  Top Layer w0.35: C34.2@27.044,13.588 C33.1@30.971,13.588
NetC36_1: C36.1 C37.2 | length 2.8
  Top Layer w0.4: C37.2@22.532,70.076 C36.1@22.532,72.924
NetC38_1: C38.1 C39.2 | length 2.8
  Top Layer w0.4: C39.2@40.946,63.138 C38.1@40.946,65.986
NetC40_1: C40.1 C41.2 | length 2.8
  Top Layer w0.4: C41.2@22.278,56.082 C40.1@22.278,58.93
NetC42_1: C42.1 C43.2 | length 2.8
  Top Layer w0.4: C43.2@40.946,48.738 C42.1@40.946,51.586
NetC44_1: C44.1 C45.2 | length 2.8
  Top Layer w0.4: C45.2@22.278,41.538 C44.1@22.278,44.386
NetC46_1: C46.1 C47.2 | length 2.8
  Top Layer w0.4: C47.2@40.946,34.076 C46.1@40.946,36.924
NetC49_1: C49.1 U11.2 | length 5
  Top Layer w0.6: U11.2@42.137,20.892 42.137,22.757 42.76,23.38 C49.1@42.76,25.628
NetC49_2: C49.2 U11.4 | length 5.1
  Top Layer w0.6: U11.4@39.597,20.892 39.597,24.713 40.474,25.589 C49.2@40.474,25.628
NetC173_1: C173.1 C219.2 | length 2.2
  Top Layer w0.4: C219.2@56.247,12.305 C173.1@56.247,14.517
NetC213_1: C213.1 C215.2 | length 2.2
  Top Layer w0.4: C215.2@46.482,12.305 C213.1@46.482,14.517
NetJ2_3: J2.3 R26.2 R27.2 | length 9.3
  Top Layer w0.5: J2.3@51.308,6.282 54.962,6.282 55.847,7.167 R27.2@58.067,7.167 R26.2@60.197,7.167
NetPD1_2: PD1.2 U1.5 | length 40.9
  Top Layer w0.4: v1(30.701,67.075) U1.5@30.701,68.681
  Bottom Layer w0.254: v1(30.701,67.075) 39.949,67.075 41.885,69.011 58.597,69.011 59.436,69.85 59.436,69.861 60.77,71.195 PD1.2@60.77,71.5 ; PD1.2@60.77,71.5 61.77,72.5 PD1.2@62.98,72.5 PD1.2@62.98,70.5 61.77,70.5 PD1.2@60.77,71.5
NetPD2_2: PD2.2 U1.8 | length 29
  Top Layer w0.4: v1(32.651,67.564) U1.8@32.651,68.681
  Bottom Layer w0.254: v1(32.651,67.564) 39.714,67.564 41.648,69.498 49.739,69.498 PD2.2@50.318,70.078 ; PD2.2@50.305,70.078 PD2.2@50.318,70.078 ; PD2.2@50.318,70.078 51.436,71.195 PD2.2@51.436,71.5 ; PD2.2@51.436,71.5 52.436,70.5 PD2.2@53.646,70.5 PD2.2@53.646,72.5 52.436,72.5 PD2.2@51.436,71.5
NetPD3_2: PD3.2 U1.9 | length 21.6
  Top Layer w0.4: U1.9@33.301,68.681 33.301,67.542 34.269,66.574 37.67,66.574 v1(39.305,68.209)
  Bottom Layer w0.254: v1(39.305,68.209) 40.984,69.888 40.984,70.382 PD3.2@42.102,71.5 ; PD3.2@42.102,71.632 PD3.2@43.036,72.566 ; PD3.2@44.562,72.75 PD3.2@44.312,72.5 ; PD3.2@42.102,71.5 42.168,71.566 43.102,72.5 PD3.2@44.312,72.5 ; PD3.2@42.102,71.5 43.102,70.5 PD3.2@44.312,70.5 PD3.2@44.312,72.5
NetPD4_2: PD4.2 U1.11 | length 18
  Top Layer w0.4: U1.11@34.601,68.681 34.601,67.775 34.993,67.383 36.766,67.383 v1(37.592,68.209)
  Bottom Layer w0.254: v1(37.592,68.209) 37.592,71.632 36.724,72.5 PD4.2@34.978,72.5 ; PD4.2@34.978,72.5 33.768,72.5 PD4.2@32.768,71.5 33.768,70.5 PD4.2@34.978,70.5 PD4.2@34.978,72.5
NetPD5_2: PD5.2 U1.14 | length 17.1
  Top Layer w0.4: U1.14@34.601,74.319 v1(34.601,75.618)
  Bottom Layer w0.254: PD5.2@23.434,71.5 24.434,72.5 PD5.2@25.644,72.5 ; PD5.2@25.644,70.5 PD5.2@25.644,72.5 ; v1(34.601,75.618) 27.133,75.618 25.644,74.129 PD5.2@25.644,72.5
NetPD6_2: PD6.2 U1.16 | length 24.9
  Top Layer w0.4: U1.16@33.301,74.319 v1@33.301,76.141
  Bottom Layer w0.254: PD6.2@14.1,71.5 15.1,72.5 PD6.2@16.31,72.5 ; PD6.2@16.31,70.5 PD6.2@16.31,72.5 ; v1(33.302,76.142) 21.786,76.142 18.144,72.5 PD6.2@16.31,72.5
NetPD7_2: PD7.2 U2.5 | length 22
  Top Layer w0.4: U2.5@49.115,61.742 49.115,59.69 49.877,58.928 59.932,58.928 v1(62.98,61.976)
  Bottom Layer w0.254: PD7.2@61.77,63.3 PD7.2@62.98,63.3 ; v1(62.98,61.976) PD7.2@62.98,63.3 ; PD7.2@62.98,65.3 PD7.2@62.98,63.3
NetPD8_2: PD8.2 U2.8 | length 8.5
  Bottom Layer w0.254: v1(51.065,61.742) 51.065,62.878 51.381,63.194 PD8.2@52.237,63.194 ; PD8.2@52.436,65.3 PD8.2@53.646,65.3 PD8.2@53.646,63.3 52.343,63.3 PD8.2@52.237,63.194 ; PD8.2@52.554,64.454 52.237,64.137 PD8.2@52.237,63.194
NetPD9_2: PD9.2 U2.9 | length 17.4
  Top Layer w0.4: v1(51.715,60.694) U2.9@51.715,61.742
  Bottom Layer w0.254: v1(51.715,60.694) 45.997,60.694 44.245,62.446 44.245,63.233 PD9.2@44.312,63.3 ; PD9.2@44.312,63.3 43.102,63.3 PD9.2@42.102,64.3 43.102,65.3 PD9.2@44.312,65.3 PD9.2@44.312,63.3
NetPD10_2: PD10.2 U2.11 | length 26.8
  Top Layer w0.4: v1(53.015,60.132) U2.11@53.015,61.742
  Bottom Layer w0.254: PD10.2@32.768,64.3 33.768,63.3 PD10.2@34.978,63.3 ; PD10.2@33.768,65.3 PD10.2@34.978,65.3 PD10.2@34.978,63.3 ; v1(53.015,60.132) 39.969,60.132 36.802,63.3 PD10.2@34.978,63.3
NetPD11_2: PD11.2 U2.14 | length 32.9
  Top Layer w0.4: U2.14@53.015,67.381 v1@53.015,68.415
  Bottom Layer w0.254: PD11.2@24.434,65.3 PD11.2@25.644,65.3 ; PD11.2@25.644,63.3 PD11.2@25.644,65.3 ; v1(53.015,68.449) 50.707,66.142 28.347,66.142 27.505,65.3 PD11.2@25.644,65.3
NetPD12_2: PD12.2 U2.16 | length 41
  Top Layer w0.4: U2.16@51.715,67.381 v1(51.715,68.449)
  Bottom Layer w0.254: PD12.2@15.1,65.3 PD12.2@16.31,65.3 ; PD12.2@16.31,63.3 PD12.2@16.31,65.3 ; v1(51.715,68.449) 47.929,68.449 47.105,67.625 41.268,67.625 40.217,66.574 19.584,66.574 18.31,65.3 PD12.2@16.31,65.3